# Altium PCB PCB3.PcbDoc (part 1 of 5) (continued)
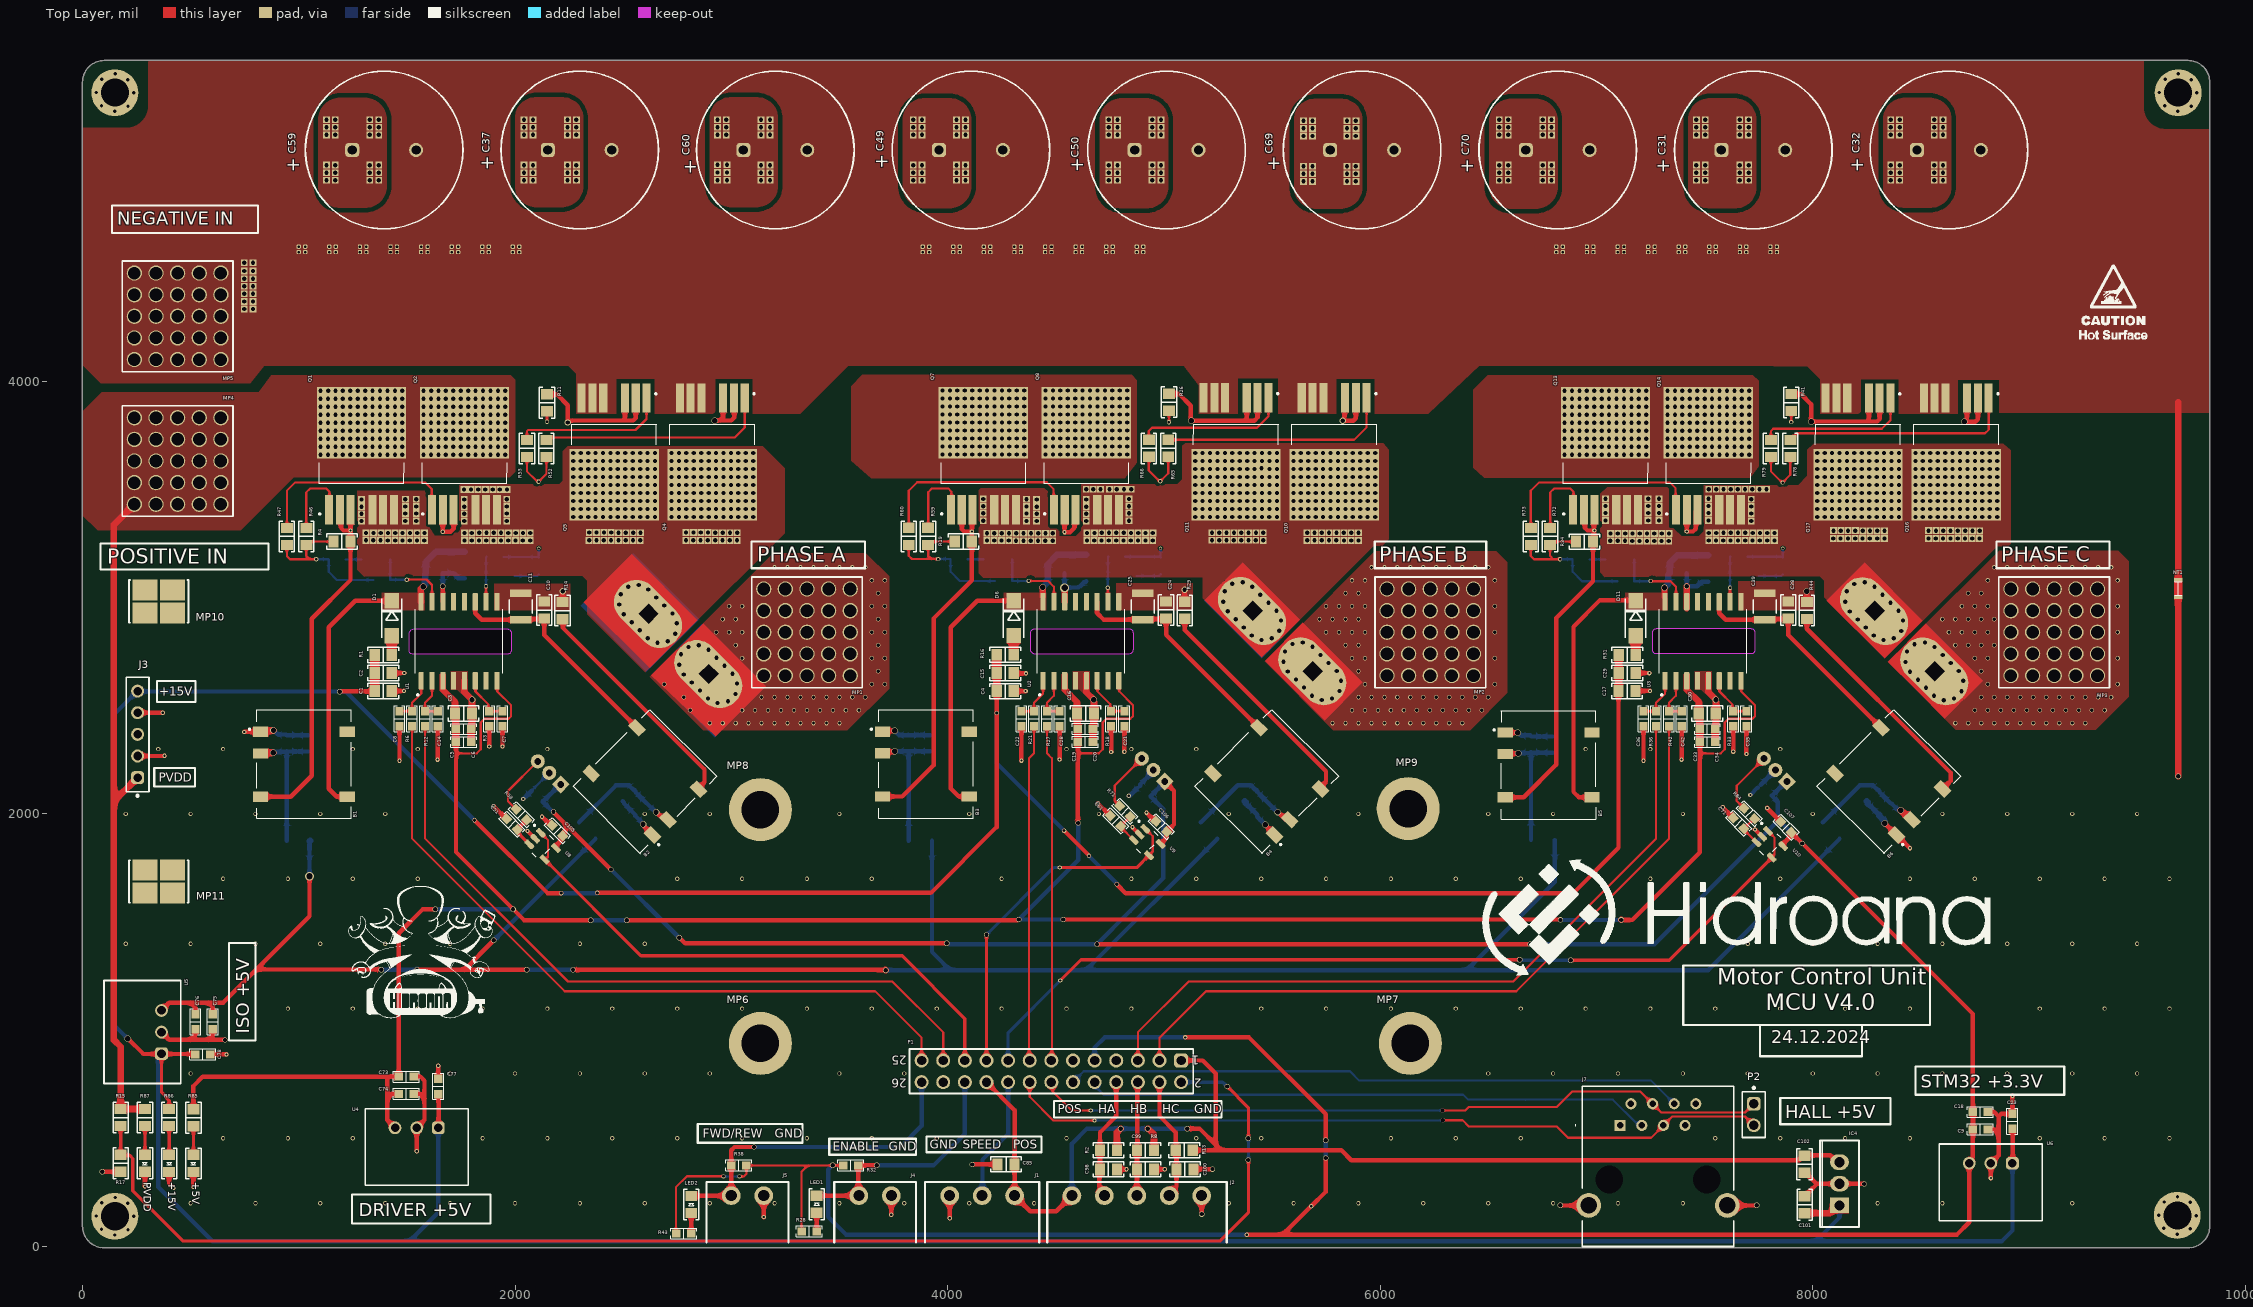
[diagram p0: Top Layer view]
## Design rules (kind name [scope] priority, off if disabled: settings)
Clearance [All] p1: gap=5 ignorepadtopadclearanceinfootprint=TRUE except(0: Arc-Text Arc-Hole Track-Text Track-Hole SMDPad-Text SMDPad-Hole THPad-Text THPad-Hole Via-Text Via-Hole Fill-Text Fill-Hole Poly-Text Poly-Hole Region-Text Region-Hole Text-Text Text-Hole; 7: Arc-Arc Arc-Track Arc-SMDPad Track-Track Track-SMDPad; 10: Arc-THPad Arc-Via Track-THPad Track-Via SMDPad-SMDPad SMDPad-THPad SMDPad-Via THPad-THPad THPad-Via Via-Via; 20: Fill-Fill Fill-Poly Fill-Region Poly-Poly Poly-Region Region-Region)
Height [All] p1: minheight=0 maxheight=5905.51 prefheight=500
HoleSize [All] p1: absolutevalues=TRUE maxlimit=400 minlimit=1 maxpercent=80.000 minpercent=20.000
HoleToHoleClearance [All] p1: gap=2 allowstackedmicrovias=TRUE
MinimumSolderMaskSliver [All] p1: minsoldermaskwidth=1
PlaneClearance [InNet('GND')] p1: clearance=20
PlaneConnect [All] p1: planeconnectstyle=Direct reliefexpansion=20 reliefentries=4 reliefconductorwidth=10 reliefairgap=10
PolygonConnect [All] p1: connectstyle=Direct reliefconductorwidth=10 reliefentries=4 polygonreliefangle="90 Angle" airgapwidth=10
RoutingVias [All] p1: holewidth=19.68 width=19.68 viastyle="Through Hole" minholewidth=10 minwidth=10 maxholewidth=50 maxwidth=50
ShortCircuit [All] p1: allowed=TRUE
SilkToSilkClearance [All] p1: silktosilkclearance=2
SilkToSolderMaskClearance [IsPad] p1: minsilkscreentomaskgap=2 clearancetoexposedcopper=TRUE
SolderMaskExpansion [All] p1: expansion=4 istentingtop=FALSE
SupplyNets "Schematic Supply Nets" [InNet('GND')] p1: voltage=0.000
SupplyNets "Schematic Supply Nets_1" [InNet('A_VSS_L')] p2: voltage=0.000
Width [All] p1: maxlimit=50 minlimit=10 preferedwidth=10 minimp=50.000000 maximp=50.000000 favimp=50.000000
21 further rules are at their usual default settings.

## Classes and differential pairs
component class Connection: 2 C85 C98 C99 C100 C101 C102 IC4 J1 J2 J3 J4 J5 J7 LED1 LED2 MP6 MP7 MP8 MP9 MP10 MP11 P1 P2 R2 R8 R13 R15 R17 R28 R32 R38 R43
component class Regulators: +1 +2 +5v +15V B1 B2 B3 B4 B5 B6 B? C9 C18 C23 C73 C74 C75 C76 C77 C78 C86 C87 C88 C89 C90 C91 C92 C93 C94 C95 C96 C97 C105 C106 C107 L2 L3 L4 L5 L6 L7 MP4 MP5 PVDD R85 R86 R87 U4 U5 U6 U8 U9 U10 VIN1
component class Power: C31 C32 C37 C43 C44 C45 C46 C47 C48 C49 C50 C51 C52 C53 C54 C55 C56 C57 C58 C59 C60 C61 C62 C63 C64 C65 C66 C67 C68 C69 C70 C71 C72 C79 C80 C81 C82 C83 C84 IC1 IC2 IC3 MP1 MP2 MP3 NT1 Q1 Q2 Q4 Q5 Q7 Q8 Q10 Q11 Q13 Q14 Q16 Q17 R46 R47 R52 R53 R58 R59 R60 R65 R66 R71 R72 R73 R78 R79 R84
component class Driver: C1 C2 C3 C4 C5 C6 C7 C8 C10 C11 C12 C13 C14 C15 C16 C17 C19 C20 C21 C22 C24 C25 C26 C27 C28 C29 C30 C33 C34 C35 C36 C38 C39 C40 C41 C42 D1 D3 D4 D6 D8 D9 D11 D13 D14 G R1 R3 R4 R5 R6 R7 R9 R10 R11 R12 R14 R16 R18 R19 R20 R21 R22 R24 R25 R26 R27 R29 R31 R33 R34 R35 R36 R37 R39 R40 R41 R42 R44 U1 U2 U3

## Components (designator, comment, footprint, x,y, rotation, side; value= is the part's Value field where it differs from the comment)
+5V "Green" 0805LED 513,384.49 r270 top
+15V "Green" 0805LED 400.85,384.49 r270 top
B1 "R1SE-0512_H2-R" R1SE3305H2R 1024.14,2230 r270 top
B2 "R1SE-0512_H2-R" R1SE3305H2R 2600.38,2150.33 r45 top
B3 "R1SE-0512_H2-R" R1SE3305H2R 3899.64,2230.5 r270 top
B4 "R1SE-0512_H2-R" R1SE3305H2R 5475.88,2150.83 r45 top
B5 "R1SE-0512_H2-R" R1SE3305H2R 8352.1,2150.75 r45 top
B6 "R1SE-0512_H2-R" R1SE3305H2R 6779,2227 r270 top
C1 "100nF 50V" 0805_CAP 1390.95,2568.46 r180 top value="100nF 16V"
C2 "1uF 50V" 0805_CAP 1390.95,2651.46 r180 top value="100nF 16V"
C3 "100nF 16V" 0805_CAP 1762,2464 r180 top
C4 "100nF 16V" 0805_CAP 4637.86,2464.69 r180 top
C5 "100nF 50V" 0603_CAP 1762,2393 r180 top value="1uF 16V"
C6 "1uF 50V" 0603_CAP 1762,2333 r180 top value="1uF 16V"
C7 "2200pF 50V" 0603_CAP 1942,2440 r270 top value="1uF 16V"
C8 "220pF 50V" 0603_CAP 1466,2440 r90 top value="1uF 16V"
C9 "10uF 25V" 0603_CAP 8775.83,541.86 r180 top value="1uF 16V"
C10 "220nF 50V" 0805_CAP 2135.32,2943 r90 top value="100nF 16V"
C11 "10uF 50V" WCAP-CSGP_1210_L3.2W2.5H0.95 2027,2959 r270 top
C12 "100nF 50V" 0805_CAP 1627,3113 r0 bottom value="100nF 16V"
C13 "10uF 50V" WCAP-CSGP_1210_L3.2W2.5H0.95 1768,3151 r90 bottom
C14 "220pF 50V" 0603_CAP 1643,2440 r90 top value="1uF 16V"
C15 "100nF 50V" 0805_CAP 4266.45,2651.96 r180 top value="100nF 16V"
C16 "1uF 50V" 0805_CAP 4266.86,2567.69 r180 top value="100nF 16V"
C17 "100nF 16V" 0805_CAP 7513,2464 r180 top
C18 "10uF 25V" 0603_CAP 8775.83,621.86 r180 top value="1uF 16V"
C19 "100nF 50V" 0603_CAP 4637.5,2393.5 r180 top value="1uF 16V"
C20 "1uF 50V" 0603_CAP 4637.5,2333.5 r180 top value="1uF 16V"
C21 "2200pF 50V" 0603_CAP 4817.5,2440.5 r270 top value="1uF 16V"
C22 "220pF 50V" 0603_CAP 4341.5,2440.5 r90 top value="1uF 16V"
C23 "100nF 25V" 0603_CAP 8923.6,578.33 r270 top value="1uF 16V"
C24 "220nF 50V" 0805_CAP 5010.82,2943.5 r90 top value="100nF 16V"
C25 "10uF 50V" WCAP-CSGP_1210_L3.2W2.5H0.95 4902.5,2959.5 r270 top
C26 "100nF 50V" 0805_CAP 4502.5,3113.5 r0 bottom value="100nF 16V"
C27 "10uF 50V" WCAP-CSGP_1210_L3.2W2.5H0.95 4642,3137 r90 bottom
C28 "220pF 50V" 0603_CAP 4518.5,2440.5 r90 top value="1uF 16V"
C29 "100nF 50V" 0805_CAP 7142.68,2651.46 r180 top value="100nF 16V"
C30 "1uF 50V" 0805_CAP 7142,2569 r180 top value="100nF 16V"
C31 "470µF" WCAP-ATUL_D18H31.5 7725.62,5070 r180 top
C32 "470µF" WCAP-ATUL_D18H31.5 8630,5070 r180 top
C33 "100nF 50V" 0603_CAP 7513.72,2393 r180 top value="1uF 16V"
C34 "1uF 50V" 0603_CAP 7513.72,2333 r180 top value="1uF 16V"
C35 "2200pF 50V" 0603_CAP 7693.72,2440 r270 top value="1uF 16V"
C36 "220pF 50V" 0603_CAP 7217.72,2440 r90 top value="1uF 16V"
C37 "470µF" WCAP-ATUL_D18H31.5 2299.38,5070 r180 top
C38 "220nF 50V" 0805_CAP 7887.04,2943 r90 top value="100nF 16V"
C39 "10uF 50V" WCAP-CSGP_1210_L3.2W2.5H0.95 7778.72,2959 r270 top
C40 "100nF 50V" 0805_CAP 7378.72,3113 r0 bottom value="100nF 16V"
C41 "10uF 50V" WCAP-CSGP_1210_L3.2W2.5H0.95 7518,3135 r90 bottom
C42 "220pF 50V" 0603_CAP 7394.72,2440 r90 top value="1uF 16V"
C43 "47μF" WCAP-CSGP_1210_L3.2W2.5H2.5 2005,4493 r90 bottom
C44 "47μF" WCAP-CSGP_1210_L3.2W2.5H2.5 1863.57,4493.31 r90 bottom
C45 "47μF" WCAP-CSGP_1210_L3.2W2.5H2.5 1722.14,4493.31 r90 bottom
C46 "47μF" WCAP-CSGP_1210_L3.2W2.5H2.5 1580.71,4493.31 r90 bottom
C47 "47μF" WCAP-CSGP_1210_L3.2W2.5H2.5 1439.29,4493.31 r90 bottom
C48 "47μF" WCAP-CSGP_1210_L3.2W2.5H2.5 1297.86,4493.31 r90 bottom
C49 "470µF" WCAP-ATUL_D18H31.5 4108.12,5070 r180 top
C50 "470µF" WCAP-ATUL_D18H31.5 5012.5,5070 r180 top
C51 "220pF 16V" 0603_CAP 1985.54,1952.46 r315 top
C52 "100nF 25V" 0603_CAP 2102,2083 r135 bottom value="1uF 16V"
C53 "47μF" WCAP-CSGP_1210_L3.2W2.5H2.5 3900,4493 r90 bottom
C54 "47μF" WCAP-CSGP_1210_L3.2W2.5H2.5 4041.43,4493 r90 bottom
C55 "47μF" WCAP-CSGP_1210_L3.2W2.5H2.5 4182.86,4493 r90 bottom
C56 "47μF" WCAP-CSGP_1210_L3.2W2.5H2.5 4324.29,4493 r90 bottom
C57 "47μF" WCAP-CSGP_1210_L3.2W2.5H2.5 4465.71,4493 r90 bottom
C58 "47μF" WCAP-CSGP_1210_L3.2W2.5H2.5 4607.14,4493 r90 bottom
C59 "470µF" WCAP-ATUL_D18H31.5 1395,5070 r180 top
C60 "470µF" WCAP-ATUL_D18H31.5 3203.75,5070 r180 top
C61 "1uF 16V" 0603_CAP 4777,1968 r315 top
C62 "100nF 25V" 0603_CAP 4915,2105 r135 bottom value="1uF 16V"
C63 "47μF" WCAP-CSGP_1210_L3.2W2.5H2.5 6830,4493 r90 bottom
C64 "47μF" WCAP-CSGP_1210_L3.2W2.5H2.5 6971.43,4493 r90 bottom
C65 "47μF" WCAP-CSGP_1210_L3.2W2.5H2.5 7112.86,4493 r90 bottom
C66 "47μF" WCAP-CSGP_1210_L3.2W2.5H2.5 7254.29,4493 r90 bottom
C67 "47μF" WCAP-CSGP_1210_L3.2W2.5H2.5 7395.71,4493 r90 bottom
C68 "47μF" WCAP-CSGP_1210_L3.2W2.5H2.5 7537.14,4493 r90 bottom
C69 "470µF" WCAP-ATUL_D18H31.5 5916.88,5070 r180 top
C70 "470µF" WCAP-ATUL_D18H31.5 6821.25,5070 r180 top
C71 "1uF 16V" 0603_CAP 7657.57,1956.82 r315 top
C72 "100nF 25V" 0603_CAP 7785,2110 r135 bottom value="1uF 16V"
C73 "10uF 25V" 0603_CAP 1497.26,785.58 r180 top value="1uF 16V"
C74 "10uF 25V" 0603_CAP 1497.26,705.58 r180 top value="1uF 16V"
C75 "10uF 25V" 0603_CAP 602.44,1039.54 r90 top value="1uF 16V"
C76 "10uF 25V" 0603_CAP 522.44,1039.54 r90 top value="1uF 16V"
C77 "100nF 25V" 0603_CAP 1645,740 r270 top value="1uF 16V"
C78 "100nF 25V" 0603_CAP 556.46,888.54 r180 top value="1uF 16V"
C79 "47μF" WCAP-CSGP_1210_L3.2W2.5H2.5 1156.43,4493.31 r90 bottom
C80 "47μF" WCAP-CSGP_1210_L3.2W2.5H2.5 1015,4493.31 r90 bottom
C81 "47μF" WCAP-CSGP_1210_L3.2W2.5H2.5 4890,4493 r90 bottom
C82 "47μF" WCAP-CSGP_1210_L3.2W2.5H2.5 4748.57,4493 r90 bottom
C83 "47μF" WCAP-CSGP_1210_L3.2W2.5H2.5 7678.57,4493 r90 bottom
C84 "47μF" WCAP-CSGP_1210_L3.2W2.5H2.5 7820,4493 r90 bottom
C85 "100nF 16V" 0805_CAP 4270.63,380 r0 top
C86 "10uF" WCAP-CSGP_0805_L2W1.25H0.6_Reflow 1044.14,2326 r270 bottom
C87 "6.8uF" WCAP-CSGP_0805_L2W1.25H0.6_Reflow 945.14,2327 r270 bottom
C88 "10uF" WCAP-CSGP_0805_L2W1.25H0.6_Reflow 2583,2022 r45 bottom
C89 "6.8uF" WCAP-CSGP_0805_L2W1.25H0.6_Reflow 2525,2085 r45 bottom
C90 "10uF" WCAP-CSGP_0805_L2W1.25H0.6_Reflow 3919.64,2326.5 r270 bottom
C91 "6.8uF" WCAP-CSGP_0805_L2W1.25H0.6_Reflow 3820.64,2327.5 r270 bottom
C92 "10uF" WCAP-CSGP_0805_L2W1.25H0.6_Reflow 5458.5,2022.5 r45 bottom
C93 "6.8uF" WCAP-CSGP_0805_L2W1.25H0.6_Reflow 5400.5,2085.5 r45 bottom
C94 "10uF" WCAP-CSGP_0805_L2W1.25H0.6_Reflow 8276.72,2085 r45 bottom
C95 "6.8uF" WCAP-CSGP_0805_L2W1.25H0.6_Reflow 8334.72,2022 r45 bottom
C96 "10uF" WCAP-CSGP_0805_L2W1.25H0.6_Reflow 6696.87,2323.4 r270 bottom
C97 "6.8uF" WCAP-CSGP_0805_L2W1.25H0.6_Reflow 6797.33,2320.93 r270 bottom
C98 "100nF 35V" 0805_CAP 4743.95,357 r180 top
C99 "100nF 35V" 0805_CAP 4915,357 r180 top
C100 "100nF 35V" 0805_CAP 5097.58,357 r180 top
C101 "330nF 50V" 0805_CAP 7963,193.37 r270 top
C102 "100nF 25V" 0805_CAP 7963,380 r90 top
C105 "1uF 16V" 0603_CAP 2196,1923 r135 top
C106 "1uF 16V" 0603_CAP 4988.25,1941.75 r135 top
C107 "1uF 16V" 0603_CAP 7877,1939 r135 top
D1 "B0530W-7-F" DO-214AC 1430,2905 r270 top
D3 "SS14" SOD3715X145N 1357,3177 r180 bottom
D4 "SS14" SOD3715X145N 1932,3100 r0 bottom
D6 "B0530W-7-F" DO-214AC 4305.5,2905.5 r270 top
D8 "SS14" SOD3715X145N 4232.5,3177.5 r180 bottom
D9 "SS14" SOD3715X145N 4807.5,3100.5 r0 bottom
D11 "B0530W-7-F" DO-214AC 7181.72,2905 r270 top
D13 "SS14" SOD3715X145N 7108.72,3177 r180 bottom
D14 "SS14" SOD3715X145N 7683.72,3100 r0 bottom
IC1 "ACS756KCA-050B-PFF-T" ACS758 2339.11,1977.12 r135 bottom
IC2 "ACS756KCA-050B-PFF-T" ACS758 5132.02,1990.44 r135 bottom
IC3 "ACS756KCA-050B-PFF-T" ACS758 8008.24,1989.94 r135 bottom
IC4 "L7805" TO-220-3 8124,290 r90 top
J1 "3P 3.81MM" TB3_3.81_90C 4160,235 r0 top
J2 "5P 3.81mm" "TB5 3.81MM" 4575,235 r0 top
J3 "48/12V Regulator" "48/12V REGULATOR" 255,2168 r90 top
J4 "2P 3.81mm" TB2_3.81MM 3665,235 r0 top
J5 "2P 3.81mm" TB2_3.81MM 3075,235 r0 top
J7 "RJ45-8N4-B" RJ458N4B 7110,560 r90 top
L2 "RLS-126-R" IND_RLS-126-R 998.14,1876 r180 bottom
L3 "RLS-126-R" IND_RLS-126-R 2334,1923 r135 bottom
L4 "RLS-126-R" IND_RLS-126-R 3873.64,1876.5 r180 bottom
L5 "RLS-126-R" IND_RLS-126-R 5209.5,1923.5 r135 bottom
L6 "RLS-126-R" IND_RLS-126-R 8085.72,1923 r135 bottom
L7 "RLS-126-R" IND_RLS-126-R 6753.57,1879.57 r180 bottom
LED1 "Green" 0805LED 3395,195.63 r90 top
LED2 "Green" 0805LED 2815,194.37 r90 top
MP1 "M6 x 10mm" "7461098_chemical surface" 3350,2840 r0 top
MP2 "M6 x 10mm" "7461098_chemical surface" 6232,2840 r0 top
MP3 "M6 x 10mm" "7461098_chemical surface" 9117,2840 r90 top
MP4 "M6 x 10mm" "7461098_chemical surface" 440,3632 r0 top
MP5 "M6 x 10mm" "7461098_chemical surface" 440,4301 r90 top
MP6 "M3 x 11mm" 9774110360 3135,939 r0 top
MP7 "M3 x 11mm" 9774110360 6140,939 r0 top
MP8 "M3 x 11mm" 9774110360 3135,2020 r0 top
MP9 "M3 x 11mm" 9774110360 6130,2025 r0 top
MP10 "M3" 7466303 353,2983 r90 top
MP11 "M3" 7466303 353,1688 r90 top
NT1 "Net Tie" "NET TIE" 9690,3042.63 r270 top net-tie
P1 "61302621121" 61302621121 4480,810 r180 top
P2 "61300211121" 61300211121 7728,610 r270 top
PVDD "Green" 0805LED 288.7,384.59 r270 top
Q1 "FDB0260N1007L" FDB0260N1007L 1290.27,3607.63 r0 top
Q2 "FDB0260N1007L" FDB0260N1007L 1766.48,3607.63 r0 top
Q4 "FDB0260N1007L" FDB0260N1007L 2912.27,3722.36 r180 top
Q5 "FDB0260N1007L" FDB0260N1007L 2458.11,3722.36 r180 top
Q7 "FDB0260N1007L" FDB0260N1007L 4165.77,3608.13 r0 top
Q8 "FDB0260N1007L" FDB0260N1007L 4641.98,3608.13 r0 top
Q10 "FDB0260N1007L" FDB0260N1007L 5787.77,3722.86 r180 top
Q11 "FDB0260N1007L" FDB0260N1007L 5333.61,3722.86 r180 top
Q13 "FDB0260N1007L" FDB0260N1007L 7042,3607.63 r0 top
Q14 "FDB0260N1007L" FDB0260N1007L 7518.2,3607.63 r0 top
Q16 "FDB0260N1007L" FDB0260N1007L 8664,3722.36 r180 top
Q17 "FDB0260N1007L" FDB0260N1007L 8209.83,3722.36 r180 top
R1 "2 Ohms" 0805_RES 1390.95,2735.46 r180 top value="1k Ohms"
R2 "10k Ohms" 0805_RES 4743.95,445.14 r180 top
R3 "10k Ohms" 0603_RES 1881,2440 r270 top
R4 "10k Ohms" 0805_RES 1200,3260 r180 top value="1k Ohms"
R5 "109 Ohms" 0805_RES 1384,3082 r180 bottom value="1k Ohms"
R6 "51 Ohms" 0603_RES 1524,2440 r90 top
R7 "76.5 Ohms" 0805_RES 1178,3177 r180 bottom value="1k Ohms"
R8 "10k Ohms" 0805_RES 4915,445.14 r180 top
R9 "109 Ohms" 0805_RES 1907,3189 r0 bottom value="1k Ohms"
R10 "76.5 Ohms" 0805_RES 2110,3147 r90 bottom value="1k Ohms"
R11 "10k Ohms" 0805_RES 2148,3901.63 r90 top value="1k Ohms"
R12 "51 Ohms" 0603_RES 1584,2440 r90 top
R13 "10k Ohms" 0805_RES 5094.79,445.14 r180 top
R14 "0 Ohms" 0805_RES 2220,2940 r90 top value="1k Ohms"
R15 "100k Ohms" 0805_RES 176.54,596.27 r270 top
R16 "2 Ohms" 0805_RES 4266.45,2735.96 r180 top value="1k Ohms"
R17 "5.5k Ohms" 0805_RES 176.54,384.59 r270 top
R18 "10k Ohms" 0603_RES 4756.5,2440.5 r270 top
R19 "10k Ohms" 0805_RES 4073,3260 r180 top value="1k Ohms"
R20 "109 Ohms" 0805_RES 4259.5,3076.5 r180 bottom value="1k Ohms"
R21 "51 Ohms" 0603_RES 4399.5,2440.5 r90 top
R22 "76.5 Ohms" 0805_RES 4053.5,3177.5 r180 bottom value="1k Ohms"
R24 "109 Ohms" 0805_RES 4780.73,3187.73 r0 bottom value="1k Ohms"
R25 "76.5 Ohms" 0805_RES 4985.5,3147.5 r90 bottom value="1k Ohms"
R26 "10k Ohms" 0805_RES 5024,3904 r90 top value="1k Ohms"
R27 "51 Ohms" 0603_RES 4459.5,2440.5 r90 top
R28 "2k2" 0603_RES 3360,70 r0 top value="0/10 Ohms"
R29 "0 Ohms" 0805_RES 5096.82,2941.5 r90 top value="1k Ohms"
R31 "2 Ohms" 0805_RES 7142.68,2735.46 r180 top value="1k Ohms"
R32 "4.7K" 0603_RES 3552,375 r180 top value="0/10 Ohms"
R33 "10k Ohms" 0603_RES 7632.72,2440 r270 top
R34 "10k Ohms" 0805_RES 6945,3259 r180 top value="1k Ohms"
R35 "109 Ohms" 0805_RES 7135.72,3076 r180 bottom value="1k Ohms"
R36 "51 Ohms" 0603_RES 7275.72,2440 r90 top
R37 "76.5 Ohms" 0805_RES 6929.72,3177 r180 bottom value="1k Ohms"
R38 "4.7K" 0603_RES 3035,375 r0 top value="0/10 Ohms"
R39 "109 Ohms" 0805_RES 7658.72,3189 r0 bottom value="1k Ohms"
R40 "76.5 Ohms" 0805_RES 7861.72,3147 r90 bottom value="1k Ohms"
R41 "10k Ohms" 0805_RES 7901,3902 r90 top value="1k Ohms"
R42 "51 Ohms" 0603_RES 7335.72,2440 r90 top
R43 "2k2" 0603_RES 2780,60 r0 top value="0/10 Ohms"
R44 "0 Ohms" 0805_RES 7973.04,2941 r90 top value="1k Ohms"
R46 "3 Ohms" 0805_RES 1035,3283 r90 top value="1k Ohms"
R47 "3 Ohms" 0805_RES 945.14,3283 r90 top value="1k Ohms"
R52 "3 Ohms" 0805_RES 2145,3690 r90 top value="1k Ohms"
R53 "3 Ohms" 0805_RES 2055,3690 r90 top value="1k Ohms"
R58 "120 Ohms" 0603_RES 2029.54,1997.46 r315 top
R59 "3 Ohms" 0805_RES 3910.5,3283.5 r90 top value="1k Ohms"
R60 "3 Ohms" 0805_RES 3820.64,3283.5 r90 top value="1k Ohms"
R65 "3 Ohms" 0805_RES 5020.5,3690.5 r90 top value="1k Ohms"
R66 "3 Ohms" 0805_RES 4930.5,3690.5 r90 top value="1k Ohms"
R71 "1k Ohms" 0603_RES 4820,2012.46 r315 top
R72 "3 Ohms" 0805_RES 6786,3283 r90 top value="1k Ohms"
R73 "3 Ohms" 0805_RES 6696.87,3283 r90 top value="1k Ohms"
R78 "3 Ohms" 0805_RES 7896.72,3690 r90 top value="1k Ohms"
R79 "3 Ohms" 0805_RES 7806.72,3690 r90 top value="1k Ohms"
R84 "1k Ohms" 0603_RES 7707.07,2002.07 r315 top
R85 "2k2 Ohms" 0805_RES 513,595 r270 top
R86 "10K Ohms" 0805_RES 400.85,596.27 r270 top
R87 "22K Ohms" 0805_RES 288.7,596.27 r270 top
U1 "UCC21520DWR" SOIC127P1030X265-16N 1741.23,2798.54 r90 top
U2 "UCC21520DWR" SOIC127P1030X265-16N 4616.73,2799.04 r90 top
U3 "UCC21520DWR" SOIC127P1030X265-16N 7492.96,2798.54 r90 top
U4 "8-28Vin, 5Vout, 1Aout" WPME-FDSM_SIP-3_L11.6W8.5H10.5 1545.35,460.06 r180 top
U5 "8-28Vin, 5Vout, 1Aout" WPME-FDSM_SIP-3_L11.6W8.5H10.5 276.91,991.46 r90 top
U6 "8-28Vin, 5Vout, 1Aout" WPME-FDSM_SIP-3_L11.6W8.5H10.5 8823.91,296.33 r180 top
U8 "OPA320AIDBVR" SOT95P280X145-5N 2128,1851 r315 top
U9 "OPA320AIDBVR" SOT95P280X145-5N 4923,1870 r315 top
U10 "OPA320AIDBVR" SOT95P280X145-5N 7802,1860 r315 top

## Footprints (in the part's own frame and the unit in brackets; to place one, negate y for a bottom-side part, rotate by r counter-clockwise, add the part's x,y. Pads: shape width x height; smd on the part's side, far side on the other; paste and mask are expansions set on the pad)
"48/12V REGULATOR" [mm]
  round 1.52 hole 1.02: 1(10.16,0) 2(7.62,0) 3(5.08,0) 4(2.54,0)
  rrect50% 1.52x1.52 hole 1.02: 5(0,0)
  silkscreen extent -2.25,-1.35 11.81,1.35, body extent -21.04,-10.03 30.02,21.19, height 50.86
0603_CAP [mm]
  rect 1x0.95 smd mask+0.08: 1(-0.889,0) 2(0.889,0)
  silkscreen extent -1.52,-0.64 1.52,0.64, body extent -0.8,-0.4 0.8,0.4, height 0.96
0603_RES [mm]
  rect 1x0.95 smd mask+0.08: 1(-0.889,0) 2(0.889,0)
  silkscreen extent -1.52,-0.64 1.52,0.64, body extent -0.85,-0.4 0.85,0.4, height 0.56
0805_CAP [mm]
  rect 1.2x1.4 smd: 1(-1,0) 2(1,0)
  silkscreen extent -1.8,-0.9 1.8,0.9, body extent -1,-0.62 1,0.63, height 0.6
0805_RES [mm]
  rect 1.2x1.4 smd: 1(-1,0) 2(1,0)
  silkscreen extent -1.8,-0.9 1.8,0.9, body extent -1,-0.62 1,0.63, height 0.6
0805LED [mm]
  rect 1.2x1.4 smd: 1(-1,0) 2(1,0)
  silkscreen extent -1.8,-0.9 1.8,0.9, body extent -1.01,-0.62 1.01,0.63, height 1.1
"7461098_chemical surface" [mm] "M6, thread 10mm"
  round 1.8 hole 1.475: 1(-5.08,0) 1(-5.08,-5.08) 1(-5.08,-2.54) 1(-5.08,2.54) 1(-5.08,5.08) 1(-2.54,-5.08) 1(-2.54,-2.54) 1(-2.54,0) 1(-2.54,2.54) 1(-2.54,5.08) 1(0,-5.08) 1(0,-2.54) 1(0,0) 1(0,2.54) 1(0,5.08) 1(2.54,-5.08) 1(2.54,-2.54) 1(2.54,0) 1(2.54,2.54) 1(2.54,5.08) 1(5.08,-5.08) 1(5.08,-2.54) 1(5.08,2.54) 1(5.08,5.08) 1(5.08,0)
  silkscreen extent -6.5,-6.5 6.5,6.5, body extent -6.5,-6.5 6.5,6.5, height 15.5
7466303 [mm] "SMD Terminal Right Angled, Thread M3, Length 7mm"
  rect 2.45x2.95 smd paste-403.566: 1(-1.35,1.6) 1(-1.35,-1.6) 1(1.35,1.6) 1(1.35,-1.6)
  silkscreen extent -2.5,-3.5 2.5,3.5, body extent -2.5,-3.5 2.5,3.5, height 5
9774110360 [mm] "SMT Steel Spacer with internal Thread M3, height 11mm"
  round 7.4 / inner round 0 / far side round 0 hole 4.4 unplated: 1(0,0)
  body extent -3,-3 3,3, height 11
61300211121 [mm] "Pin Header, pitch 2.54 mm, THT, Vertical, single row, 2p"
  rrect50% 1.6x1.6 hole 1.1: 1(-1.27,0)
  round 1.6 hole 1.1: 2(1.27,0)
  silkscreen extent -3.26,-1.35 2.69,1.35, body extent -2.54,-1.27 2.54,1.27, height 8.57
61302621121 [mm] "Pin Header, pitch 2.54 mm, THT, Vertical, dual row, 26p"
  rrect50% 1.65x1.65 hole 1.1: 1(-15.24,-1.27)
  round 1.65 hole 1.1: 2(-15.24,1.27) 3(-12.7,-1.27) 4(-12.7,1.27) 5(-10.16,-1.27) 6(-10.16,1.27) 7(-7.62,-1.27) 8(-7.62,1.27) 9(-5.08,-1.27) 10(-5.08,1.27) 11(-2.54,-1.27) 12(-2.54,1.27) 13(0,-1.27) 14(0,1.27) 15(2.54,-1.27) 16(2.54,1.27) 17(5.08,-1.27) 18(5.08,1.27) 19(7.62,-1.27) 20(7.62,1.27) 21(10.16,-1.27) 22(10.16,1.27) 23(12.7,-1.27) 24(12.7,1.27) 25(15.24,-1.27) 26(15.24,1.27)
  silkscreen extent -16.66,-2.62 16.66,2.62, body extent -16.51,-2.54 16.51,2.54, height 8.59
ACS758 [mm]
  rect 1.5x1.5 hole 0.8: 1(5.158,0.578)
  round 1.65 hole 0.8: 2(7.068,0.578) 3(8.978,0.578)
  round 1 hole 0.5: 4(-1.834,21.36) 4(-1.834,22.596) 4(-1.108,20.36) 4(-1.108,23.596) 4(0.068,24.028) 4(0.068,19.928) 4(1.401,19.928) 4(1.401,24.028) 4(2.735,19.928) 4(2.735,24.028) 4(4.068,19.928) 4(4.068,24.028) 4(5.244,20.36) 4(5.244,23.596) 4(5.97,21.36) 4(5.97,22.596) 5(8.166,22.596) 5(8.166,21.36) 5(8.892,20.36) 5(8.892,23.596) 5(10.068,24.028) 5(10.068,19.928) 5(11.401,24.028) 5(11.401,19.928) 5(12.735,19.928) 5(12.735,24.028) 5(14.068,24.028) 5(14.068,19.928) 5(15.244,20.36) 5(15.244,23.596) 5(15.97,22.596) 5(15.97,21.36)
  rrect34% 4.3x1.65 / inner rrect50% 5.08x1.524 / far side rrect90% 4.3x1.65 hole 1.65 square unplated: 4(2.034,22.041) 5(12.042,22.041)
  rrect97% 9.068x5.207 / inner rrect100% 9.068x5.207 / far side rrect97% 9.068x5.207 all layers, no hole: 4(2.068,21.978) 5(12.068,21.978)
  silkscreen extent 2.07,3.68 12.07,16.68, body extent 0.04,0.02 14.04,22.84, height 6.97
DO-214AC [mm]
  rect 1.8x1.7 smd: A(2.05,0) K(-2.05,0)
  silkscreen extent -2.3,-1.2 2.3,1.2, body extent -2.6,-1.36 2.6,1.36, height 2.5
FDB0260N1007L [mm]
  rect 0.95x3.45 smd: 1(-3.81,-5.1) 2(-2.54,-5.1) 3(-1.27,-5.1) 5(1.27,-5.1) 6(2.54,-5.1) 7(3.81,-5.1)
  rect 10.5x8.4 smd: 4(0,5.1)
  silkscreen extent -5,-5.7 5,0.4, body extent -5.08,-6.33 5.08,10.57, height 4.54
IND_RLS-126-R [mm]
  rect 2.05x3.5 smd: 1(-1.375,0) 2(1.375,0)
  body extent -2.25,-1.6 2.25,1.6, height 2.6
"NET TIE" [mm] "NET TIE"
  rect 0.508x1 smd mask+0.102: 1(-1,0) 2(1,0)
  Top Layer region: -0.8,-0.5 0.8,-0.5 0.8,0.5 -0.8,0.5
  silkscreen extent -0.8,-0.4 0.8,0.4
R1SE3305H2R [mm]
  rect 1.2x1.8 smd: 1(-3.81,-5.1) 2(-1.27,-5.1) 4(3.81,-5.1) 5(3.81,5.1) 8(-3.81,5.1)
  silkscreen extent -6.38,-6.5 6.38,5.55, body extent -6.22,-5.68 6.53,5.42, height 7.08
RJ458N4B [mm]
  rect 1.303x1.303 hole 0.76: 1(0,0)
  round 1.306 hole 0.76: 2(2.54,-1.27) 3(0,-2.54) 4(2.54,-3.81) 5(0,-5.08) 6(2.54,-6.35) 7(0,-7.62) 8(2.54,-8.89)
  round 1.625 hole 3.25 unplated: MH1(-6.35,1.27) MH2(-6.35,-10.16)
  round 2.896 hole 1.93: MH3(-9.4,3.68) MH4(-9.4,-12.57)
  silkscreen extent -14.23,-13.33 4.6,5.3, body extent -14.22,-13.33 3.81,4.44, height 12.57
SOD3715X145N [mm]
  rect 1.21x0.72 smd: A(1.68,0) C(-1.68,0)
  silkscreen extent -1.35,-0.85 1.35,0.85
SOIC127P1030X265-16N [mm]
  rrect25% 2.06x0.6 smd: 1(-4.64,4.445) 2(-4.64,3.175) 3(-4.64,1.905) 4(-4.64,0.635) 5(-4.64,-0.635) 6(-4.64,-1.905) 7(-4.64,-3.175) 8(-4.64,-4.445) 9(4.64,-4.445) 10(4.64,-3.175) 11(4.64,-1.905) 12(4.64,-0.635) 13(4.64,0.635) 14(4.64,1.905) 15(4.64,3.175) 16(4.64,4.445)
  silkscreen extent -6.4,-5.15 3.75,5.15, body extent -5.15,-5.15 5.15,5.15, height 2.65
SOT95P280X145-5N [mm]
  rrect50% 1.21x0.59 smd: 1(-1.255,0.95) 2(-1.255,0) 3(-1.255,-0.95) 4(1.255,-0.95) 5(1.255,0.95)
  silkscreen extent -2.51,-1.45 0.8,1.45, body extent -1.4,-1.45 1.4,1.45, height 1.45
TB2_3.81MM [mm]
  round 2.2 hole 1.3 mask+0.05: 1(-1.905,0) 2(1.905,0)
  silkscreen extent -4.8,-5.5 4.8,1.6, body extent -4.5,-17.1 4.5,1.3, height 7.88
TB3_3.81_90C [mm]
  round 2.2 hole 1.3 mask+0.05: 1(-3.81,0) 2(0,0) 3(3.81,0)
  silkscreen extent -6.71,-5.5 6.7,1.6, body extent -6.11,-17.15 6.11,1.2, height 7.37
"TB5 3.81MM" [mm]
  round 2.2 hole 1.3 mask+0.05: 1(0,0) 2(3.81,0) 3(7.62,0) 4(11.43,0) 5(15.24,0)
  silkscreen extent -2.9,-5.5 18.19,1.6, body extent -2.53,-7.94 17.71,1.26, height 7.27
TO-220-3 [mm]
  rect 1.8x2.2 hole 1.2: 1(-2.54,0)
  oval 1.8x2.2 hole 1.2: 2(0,0) 3(2.54,0)
  silkscreen extent -5.08,-2.29 5.08,2.29, body extent -4.97,-2.16 4.93,2.34, height 20.8
WCAP-ATUL_D18H31.5 [mm] "Aluminum Electrolytic Capacitors, 18x31.5mm"
  rrect50% 1.65x1.65 hole 1.1: 1(3.75,0)
  round 1.65 hole 1.1: 2(-3.75,0)
  silkscreen extent -9.25,-9.25 9.25,9.25, body extent -8.99,-9 9,9, height 31.81
WCAP-CSGP_0805_L2W1.25H0.6_Reflow [mm] "Ceramic Capacitors, body 2x1.25mm"
  rect 0.9x1.3 smd: 1(-0.95,0) 2(0.95,0)
  body extent -1,-0.63 1,0.63, height 0.6
WCAP-CSGP_1210_L3.2W2.5H0.95 [mm] "Ceramic Capacitors, body 3.2x2.5mm"
  rect 0.9x2.5 smd: 1(-1.55,0) 2(1.55,0)
  silkscreen extent -0.8,-1.35 0.8,1.35, body extent -1.6,-1.25 1.6,1.25, height 0.95
WCAP-CSGP_1210_L3.2W2.5H2.5 [mm] "Ceramic Capacitors, body 3.2x2.5mm"
  rect 0.9x2.5 smd: 1(-1.55,0) 2(1.55,0)
  silkscreen extent -0.8,-1.4 0.8,1.4, body extent -1.6,-1.25 1.6,1.25, height 2.5
WPME-FDSM_SIP-3_L11.6W8.5H10.5 [mm] "Fixed Step Down Regulator Module, SIP-3, body 11.60x8.50mm"
  rrect50% 1.5x1.5 hole 1: 1(-2.54,-2.25)
  round 1.5 hole 1: 2(0,-2.25) 3(2.54,-2.25)
  silkscreen extent -6.05,-4.5 6.05,4.5, body extent -5.8,-4.26 5.8,4.25, height 10.55

## Part data
+5V +15V LED1 LED2 PVDD: library part LED, "0805"
B1 B2 B3 B4 B5 B6: "RECOM POWER - R1SE-0512/H2-R - DC-DC CONVERTER, 12V, 0.084A, SMD", Arrow Part Number=R1SE-0512/H2-R, Manufacturer_Name="RECOM Power", Mouser Part Number=919-R1SE-0512/H2-R, Arrow Price/Stock=https://www.arrow.com/en/products/r1se-0512h2-r/recom-power?region=nac, Datasheet Link=https://componentsearchengine.com/Datasheets/1/R1SE-0512_H2-R.pdf, Geometry.Height=7.5mm, Manufacturer_Part_Number=R1SE-0512/H2-R, Mouser Price/Stock=https://www.mouser.co.uk/ProductDetail/RECOM-Power/R1SE-0512-H2-R?qs=2sV1BwmkawRQ2FXa7NBFcA%3D%3D
C1 C2 C3 C4 C10 C12 C15 C16 C17 C24 C26 C29 C30 C38 C40 C85 C98 C99 C100 C101 C102: library part CAP_0805
C5 C6 C7 C8 C9 C14 C18 C19 C20 C21 C22 C23 C28 C33 C34 C35 C36 C42 C51 C52 C61 C62 C71 C72 C73 C74 C75 C76 C77 C78 C105 C106 C107: library part CAP_0603, "CL10B105KO8NNNC - MLCC (1608) 0603 1uF 16VDC ±10% X7R"
C11: library part 885012009019, "WCAP-CSGP Multilayer Ceramic Chip Capacitor, General Purpose, size 1210, NP0, 2.2nF, 50V", Capacitance=2.2nF, Capacitance Tolerance=+/-5%, Case/Size Code=1210, Insulation Resistance=10GΩ, manufacturer="Wurth Elektronik", Max Operating Temperature=125°C, Min Operating Temperature=-55°C, Rated Voltage (DC)=50V, Category="Multilayer Ceramic Chip Capacitors", Ceramic Type=NP0, componentlink1description="Website Link", componentlink1url=https://www.we-online.com/redexpert/article/885012009019?ad, componentlink2description="Datasheet Link", componentlink2url=https://www.we-online.com/redexpert/spec/885012009019?ad, Height=0.95mm, Length=3.2mm, Manufacturer Part Number=885012009019, Match Code=WCAP-CSGP, Mount="Surface Mount", packaging="Tape and Reel", Q Factor=1000, Technical Reference=NP01210222J050DFCT10000, Width=2.5mm
C13 C25 C27 C39 C41: library part 885012009019, "WCAP-CSGP Multilayer Ceramic Chip Capacitor, General Purpose, size 1210, NP0, 2.2nF, 50V", Capacitance=2.2nF, Capacitance Tolerance=+/-5%, Case/Size Code=1210, manufacturer="Wurth Elektronik", Max Operating Temperature=125°C, Min Operating Temperature=-55°C, Rated Voltage (DC)=50V, Insulation Resistance=10GΩ, Category="Multilayer Ceramic Chip Capacitors", Ceramic Type=NP0, componentlink1description="Website Link", componentlink1url=https://www.we-online.com/redexpert/article/885012009019?ad, componentlink2description="Datasheet Link", componentlink2url=https://www.we-online.com/redexpert/spec/885012009019?ad, Height=0.95mm, Length=3.2mm, Manufacturer Part Number=885012009019, Match Code=WCAP-CSGP, Mount="Surface Mount", packaging="Tape and Reel", Q Factor=1000, Technical Reference=NP01210222J050DFCT10000, Width=2.5mm
C31 C32 C37 C49 C50 C59 C60 C69 C70: library part 860040881012, "WCAP-ATUL Aluminum Electrolytic Capacitor, Radial, THT, D18 x H31.5mm, 470µF, 100V", Capacitance Tolerance=20%, Leakage Current=470µA, manufacturer="Wurth Elektronik", Operating Temperature Max=105°C, Operating Temperature Min=-40°C, Rated Voltage (DC)=100V, Ripple Current=1600mA, Capacitance=470µF, Category="Aluminum Electrolytic Capacitors", componentlink1description="Website Link", componentlink1url=https://www.we-online.com/redexpert/article/860040881012?ad, componentlink2description="Datasheet Link", componentlink2url=https://www.we-online.com/redexpert/spec/860040881012?ad, Diameter=18mm, Dissipation Factor=9%, Endurance=10000h, Height=31.5mm, Manufacturer Part Number=860040881012, Match Code=WCAP-ATUL, Mount="Through Hole", packaging="Ammo Pack", Technical Reference=ATDL315471M100DSPAEK000
C43 C44 C45 C46 C47 C48 C53 C54 C55 C56 C57 C58 C63 C64 C65 C66 C67 C68 C79 C80 C81 C82 C83 C84: library part 885012109007, "WCAP-CSGP Multilayer Ceramic Chip Capacitor, General Purpose, size 1210, X5R, 47μF, 10V", Capacitance Tolerance=+/-20%, Case/Size Code=1210, manufacturer="Wurth Elektronik", Max Operating Temperature=85°C, Min Operating Temperature=-55°C, Rated Voltage (DC)=10V, Insulation Resistance=0.002GΩ, Capacitance=47μF, Category="Multilayer Ceramic Chip Capacitors", Ceramic Type=X5R, componentlink1description="Website Link", componentlink1url=https://www.we-online.com/redexpert/article/885012109007?ad, componentlink2description="Datasheet Link", componentlink2url=https://www.we-online.com/redexpert/spec/885012109007?ad, Dissipation Factor=10%, Height=2.5mm, Length=3.2mm, Manufacturer Part Number=885012109007, Match Code=WCAP-CSGP, Mount="Surface Mount", packaging="Tape and Reel", Technical Reference=X5R1210476M010DFCT10000, Width=2.5mm
C86 C87 C88 C89 C90 C91 C92 C93 C94 C95 C96 C97: library part 885012007012, "WCAP-CSGP Multilayer Ceramic Chip Capacitor, General Purpose, size 0805, NP0, 22pF, 16V", Capacitance=22pF, Capacitance Tolerance=+/-5%, Case/Size Code=0805, manufacturer="Wurth Elektronik", Max Operating Temperature=125°C, Min Operating Temperature=-55°C, Rated Voltage (DC)=16V, Insulation Resistance=10GΩ, Category="Multilayer Ceramic Chip Capacitors", Ceramic Type=NP0, componentlink1description="Website Link", componentlink1url=https://www.we-online.com/redexpert/article/885012007012?ad, componentlink2description="Datasheet Link", componentlink2url=https://www.we-online.com/redexpert/spec/885012007012?ad, Height=0.6mm, Length=2mm, Manufacturer Part Number=885012007012, Match Code=WCAP-CSGP, Mount="Surface Mount", packaging="Tape and Reel", Q Factor=840, Technical Reference=NP00805220J016DFCT10000, Width=1.25mm
D1 D6 D11: library part SS14, "Diode Schottky 40 V 1A Surface Mount DO-214AC (SMA)", Package="SMA-2 ON Semiconductor", Check_prices=https://www.snapeda.com/parts/SS14/Onsemi/view-part/?ref=eda, MF="ON Semiconductor", MP=SS14, SnapEDA_Link=https://www.snapeda.com/parts/SS14/Onsemi/view-part/?ref=snap
D3 D4 D8 D9 D13 D14: library part B0530W-7-F, "Diode Schottky 30V 500mA Surface Mount SOD-123", Package="SOD-123 Diodes Inc.", Availability=Unavailable, MF="Diodes Inc.", MP=B0530W-7-F, Price=None, SnapEDA_Link=https://www.snapeda.com/parts/B0530W-7-F/Diodes%20Inc./view-part/272168/?ref=snap
IC1 IC2 IC3: "Integrated Circuit", Manufacturer_Name="Allegro Microsystems", Arrow Part Number=ACS756KCA-050B-PFF-T, Arrow Price/Stock=https://www.arrow.com/en/products/acs756kca-050b-pff-t/allegro-microsystems, Datasheet Link=https://www.allegromicro.com/~/media/Files/Datasheets/ACS756-Datasheet.ashx, Height=7.1mm, Manufacturer_Part_Number=ACS756KCA-050B-PFF-T
IC4: library part L7806, "L7806CV-DG - IC-7806 V.REG.+5V 1.5A TO220 DOUBLE GAUGE ST", componentlink1description=Özdisan, componentlink1url=https://ozdisan.com/entegre-devreler-ics/guc-entegreleri/lineer-voltaj-regulatorleri/L7806CV-DG/5861, componentlink2description=Datasheet, componentlink2url=https://cdn.ozdisan.com/ETicaret_Dosya/39226_7065362.pdf, PartValue=L7805
J1: library part "TBLOCK3 3.81MM", "15EDGRC-3.81-03P-11-00AH - TERM.BLK.3.81MM 3P 90C MALE GRAY CLOSED", componentlink1description=Özdisan, componentlink1url=https://www.ozdisan.com/Product/Detail/515263/15EDGRC-3-81-03P-11-00AH, componentlink2description=Datasheet, componentlink2url=https://enoss.degson.com/upload/file/20210313/10030000179/15EDGRC-3.81-XXP-1Y-00A(H)T0-1.pdf
J2: library part "TBLOCK5 3.81MM", "15EDGRC-3.81-05P-14-00AH - TERM.BLK.3.81MM 5P 90C MALE GREEN CLOSED", componentlink1description=Özdisan, componentlink1url=https://www.ozdisan.com/konnektor-ve-baglanti-elemanlari/klemensler/gecmeli-klemensler/15EDGRC-3-81-05P-14-00AH, componentlink2description=Datasheet, componentlink2url=https://enoss.degson.com/upload/file/20210313/10030000179/15EDGRC-3.81-XXP-1Y-00A(H)T0-1.pdf
J3: library part "48-12V REGULATOR"
J4 J5: library part "TBLOCK2 3.81MM", "15EDGRC-3.81-02P-11-00AH - TERM.BLK.3.81MM 2P 90C MALE GRAY CLOSED", componentlink1description=Özdisan, componentlink1url=https://ozdisan.com/konnektor-ve-baglanti-elemanlari/klemensler/gecmeli-klemensler/15EDGRC-3-81-02P-11-00AH
J7: "Modular Connectors / Ethernet Connectors 6 TRMN BRD/CBLE GRND 8 PIN BLOCK INDUCTOR", Manufacturer_Name="TE Connectivity", Mouser Part Number=592-RJ45-8N4-B, Datasheet Link=https://www.te.com/commerce/DocumentDelivery/DDEController?Action=showdoc&DocId=Catalog+Section%7F1654001_CORCOM_PRODUCT_GUIDE%7F0611%7Fpdf%7FEnglish%7FENG_CS_1654001_CORCOM_PRODUCT_GUIDE_0611.pdf%7F1-6609212-5, Geometry.Height=13.58mm, Manufacturer_Part_Number=RJ45-8N4-B, Mouser Price/Stock=https://www.mouser.co.uk/ProductDetail/TE-Connectivity-PB/RJ45-8N4-B?qs=LiYTmuET8LTUh2dcTsii4g%3D%3D
L2 L3 L4 L5 L6 L7: "Line Inductors for RECOM Power Supply", Package=None, Check_prices=https://www.snapeda.com/parts/RLS-126-R/Recom+Power/view-part/?ref=eda, MF="Recom Power", MP=RLS-126-R, SnapEDA_Link=https://www.snapeda.com/parts/RLS-126-R/Recom+Power/view-part/?ref=snap
MP1 MP2 MP3 MP4 MP5: library part 7461098, "WP-SHFU REDCUBE PRESS-FIT with external thread, L13W13H15.5mm, M6 x 10mm, 250A", manufacturer="Wurth Elektronik", Operating Temperature Max=150°C, Operating Temperature Min=-55°C, Rated Current=250A, Category="REDCUBE PRESS-FIT", componentlink1description="Website Link", componentlink1url=https://www.we-online.com/redexpert/article/7461098?ad, componentlink2description="Datasheet Link", componentlink2url=https://www.we-online.com/redexpert/spec/7461098?ad, Height=15.5mm, Length=13mm, Manufacturer Part Number=7461098, Match Code=WP-SHFU, Material=Brass, Mount="Press Fit", Number of Pins=25, packaging=Bulk, Surface=Tin, Thread Length=10mm, Thread Size=M6, Width=13mm
MP6 MP7 MP8 MP9: library part 9774110360R, "WA-SMSI SMT Steel Spacer with internal Thread, OD 6mm, M3 x 11mm", manufacturer="Wurth Elektronik", Operating Temperature Max=150°C, Operating Temperature Min=-55°C, Category="SMT Spacers", componentlink1description="Website Link", componentlink1url=https://www.we-online.com/redexpert/article/9774110360R?ad, componentlink2description="Datasheet Link", componentlink2url=https://www.we-online.com/redexpert/spec/9774110360R?ad, Height=11mm, Inside Diameter=4.2mm, Manufacturer Part Number=9774110360R, Match Code=WA-SMSI, Material=Steel, Mount="Surface Mount", Outside Diameter=6mm, packaging="Tape and Reel", Surface=Tin, Thread Size=M3
MP10 MP11: library part 7466303, "WP-SMRA REDCUBE SMT Right Angled without pins, M3, 50A", manufacturer="Wurth Elektronik", Operating Temperature Max=150°C, Operating Temperature Min=-55°C, Rated Current=50A, Category="REDCUBE SMT", componentlink1description="Website Link", componentlink1url=https://www.we-online.com/redexpert/article/7466303?ad, componentlink2description="Datasheet Link", componentlink2url=https://www.we-online.com/redexpert/spec/7466303?ad, Height=5mm, Manufacturer Part Number=7466303, Match Code=WP-SMRA, Material=Brass, Mount="Surface Mount", packaging=Bulk, Surface=Tin, Thread Size=M3
NT1: "1206 size"
P1: "WR-PHD Pin Header, THT, Vertical, pitch 2.54mm, 2 Row, 26P", Contact Resistance=20mΩ, manufacturer="Wurth Elektronik", Operating Temperature Max=105°C, Operating Temperature Min=-40°C, Rated Current=3A, Withstanding Voltage=500V, Working Voltage=250V, Category="Board-to-Board Connectors", componentlink1description="Website Link", componentlink1url=https://www.we-online.com/redexpert/article/61302621121?ad, componentlink2description="Datasheet Link", componentlink2url=https://www.we-online.com/redexpert/spec/61302621121?ad, Gender="Pin Header", Manufacturer Part Number=61302621121, Match Code=WR-PHD, Mount="Through Hole", Number of Pins=26, Number of Rows=2, Orientation=Vertical, packaging=Bag, Pitch=2.54mm
P2: "WR-PHD Pin Header, THT, Vertical, pitch 2.54mm, 1 Row, 2P", Contact Resistance=20mOhm, manufacturer="Wurth Elektronik", Operating Temperature Max=105°C, Operating Temperature Min=-40°C, Rated Current=3A, Withstanding Voltage=500V, Working Voltage=250V, Category="Board-to-Board Connectors", componentlink1description="Website Link", componentlink1url=https://www.we-online.com/redexpert/article/61300211121?ad, componentlink2description="Datasheet Link", componentlink2url=https://www.we-online.com/redexpert/spec/61300211121?ad, Gender="Pin Header", Manufacturer Part Number=61300211121, Match Code=WR-PHD, Mount="Through Hole", Number of Pins=2, Number of Rows=1, Orientation=Vertical, packaging=Bag, Pitch=2.54mm
Q1 Q2 Q4 Q5 Q7 Q8 Q10 Q11 Q13 Q14 Q16 Q17: "MOSFET 100V TO263 7L JEDEC GREEN EMC", Manufacturer_Name=onsemi, Mouser Part Number=512-FDB0260N1007L, Arrow Part Number=FDB0260N1007L, Arrow Price/Stock=https://www.arrow.com/en/products/fdb0260n1007l/on-semiconductor, Datasheet Link=https://componentsearchengine.com/Datasheets/2/FDB0260N1007L.pdf, Geometry.Height=4.7mm, Manufacturer_Part_Number=FDB0260N1007L, Mouser Price/Stock=https://www.mouser.co.uk/ProductDetail/ON-Semiconductor-Fairchild/FDB0260N1007L?qs=lDZPRidwxxtoCZGWdM7x%2FA%3D%3D
R1 R2 R4 R5 R7 R8 R9 R10 R11 R13 R14 R15 R16 R17 R19 R20 R22 R24 R25 R26 R29 R31 R34 R35 R37 R39 R40 R41 R44 R46 R47 R52 R53 R59 R60 R65 R66 R72 R73 R78 R79 R85 R86 R87: library part RES_0805, "0805", Power="1/8 W"
R3 R6 R12 R18 R21 R27 R33 R36 R42 R58: library part "1k Ohms"
R28 R32 R38 R43: library part RES_0603, "0603", Power=1/8W
U1 U2 U3: "5.7kVrms, 4A/6A dual-channel isolated gate driver w/ dual input, disable pin, 8V UVLO in DW package", Package="SOIC-16 Texas Instruments", Availability="In Stock", Check_prices=https://www.snapeda.com/parts/UCC21520DWR/Texas+Instruments/view-part/?ref=eda, MF="Texas Instruments", MP=UCC21520DWR, Price=None, Purchase-URL=https://pricing.snapeda.com/search/part/UCC21520DWR/?ref=eda, SnapEDA_Link=https://www.snapeda.com/parts/UCC21520DWR/Texas+Instruments/view-part/?ref=snap
U4 U5: library part 173010578, "WPME-FDSM Fixed Step Down Regulator Module, THT, SIP-3, 8-28Vin, 5Vout, 1Aout", Case/Size Code=SIP-3, manufacturer="Wurth Elektronik", Operating Temperature Max=85°C, Operating Temperature Min=-40°C, Output Current=1A, Output Voltage=5V, Input Voltage Max=28V, Input Voltage Min=8V, Category="Step Down Converter", componentlink1description="Website Link", componentlink1url=https://www.we-online.com/redexpert/article/173010578?ad, componentlink2description="Datasheet Link", componentlink2url=https://www.we-online.com/redexpert/spec/173010578?ad, Height=10.5mm, Length=11.6mm, Manufacturer Part Number=173010578, Match Code=WPME-FDSM, Mount="Through Hole", packaging=Tube, Width=8.5mm
U6: library part 173010578, "WPME-FDSM Fixed Step Down Regulator Module, THT, SIP-3, 8-28Vin, 5Vout, 1Aout", Case/Size Code=SIP-3, Input Voltage Max=28V, Input Voltage Min=8V, manufacturer="Wurth Elektronik", Operating Temperature Max=85°C, Operating Temperature Min=-40°C, Output Current=1A, Output Voltage=5V, Category="Step Down Converter", componentlink1description="Website Link", componentlink1url=https://www.we-online.com/redexpert/article/173010578?ad, componentlink2description="Datasheet Link", componentlink2url=https://www.we-online.com/redexpert/spec/173010578?ad, Height=10.5mm, Length=11.6mm, Manufacturer Part Number=173010578, Match Code=WPME-FDSM, Mount="Through Hole", packaging=Tube, Width=8.5mm
U8 U9 U10: "Precision, zero-crossover, 20-MHz, 0.9-pA Ib, RRIO, CMOS operational amplifier", Package="SOT-23-5 Texas Instruments", Availability="In Stock", Check_prices=https://www.snapeda.com/parts/OPA320AIDBVR/Texas+Instruments/view-part/?ref=eda, MF="Texas Instruments", MP=OPA320AIDBVR, Price=None, Purchase-URL=https://pricing.snapeda.com/search/part/OPA320AIDBVR/?ref=eda, SnapEDA_Link=https://www.snapeda.com/parts/OPA320AIDBVR/Texas+Instruments/view-part/?ref=snap